# KiCad board Console.kicad_pcb (continued)
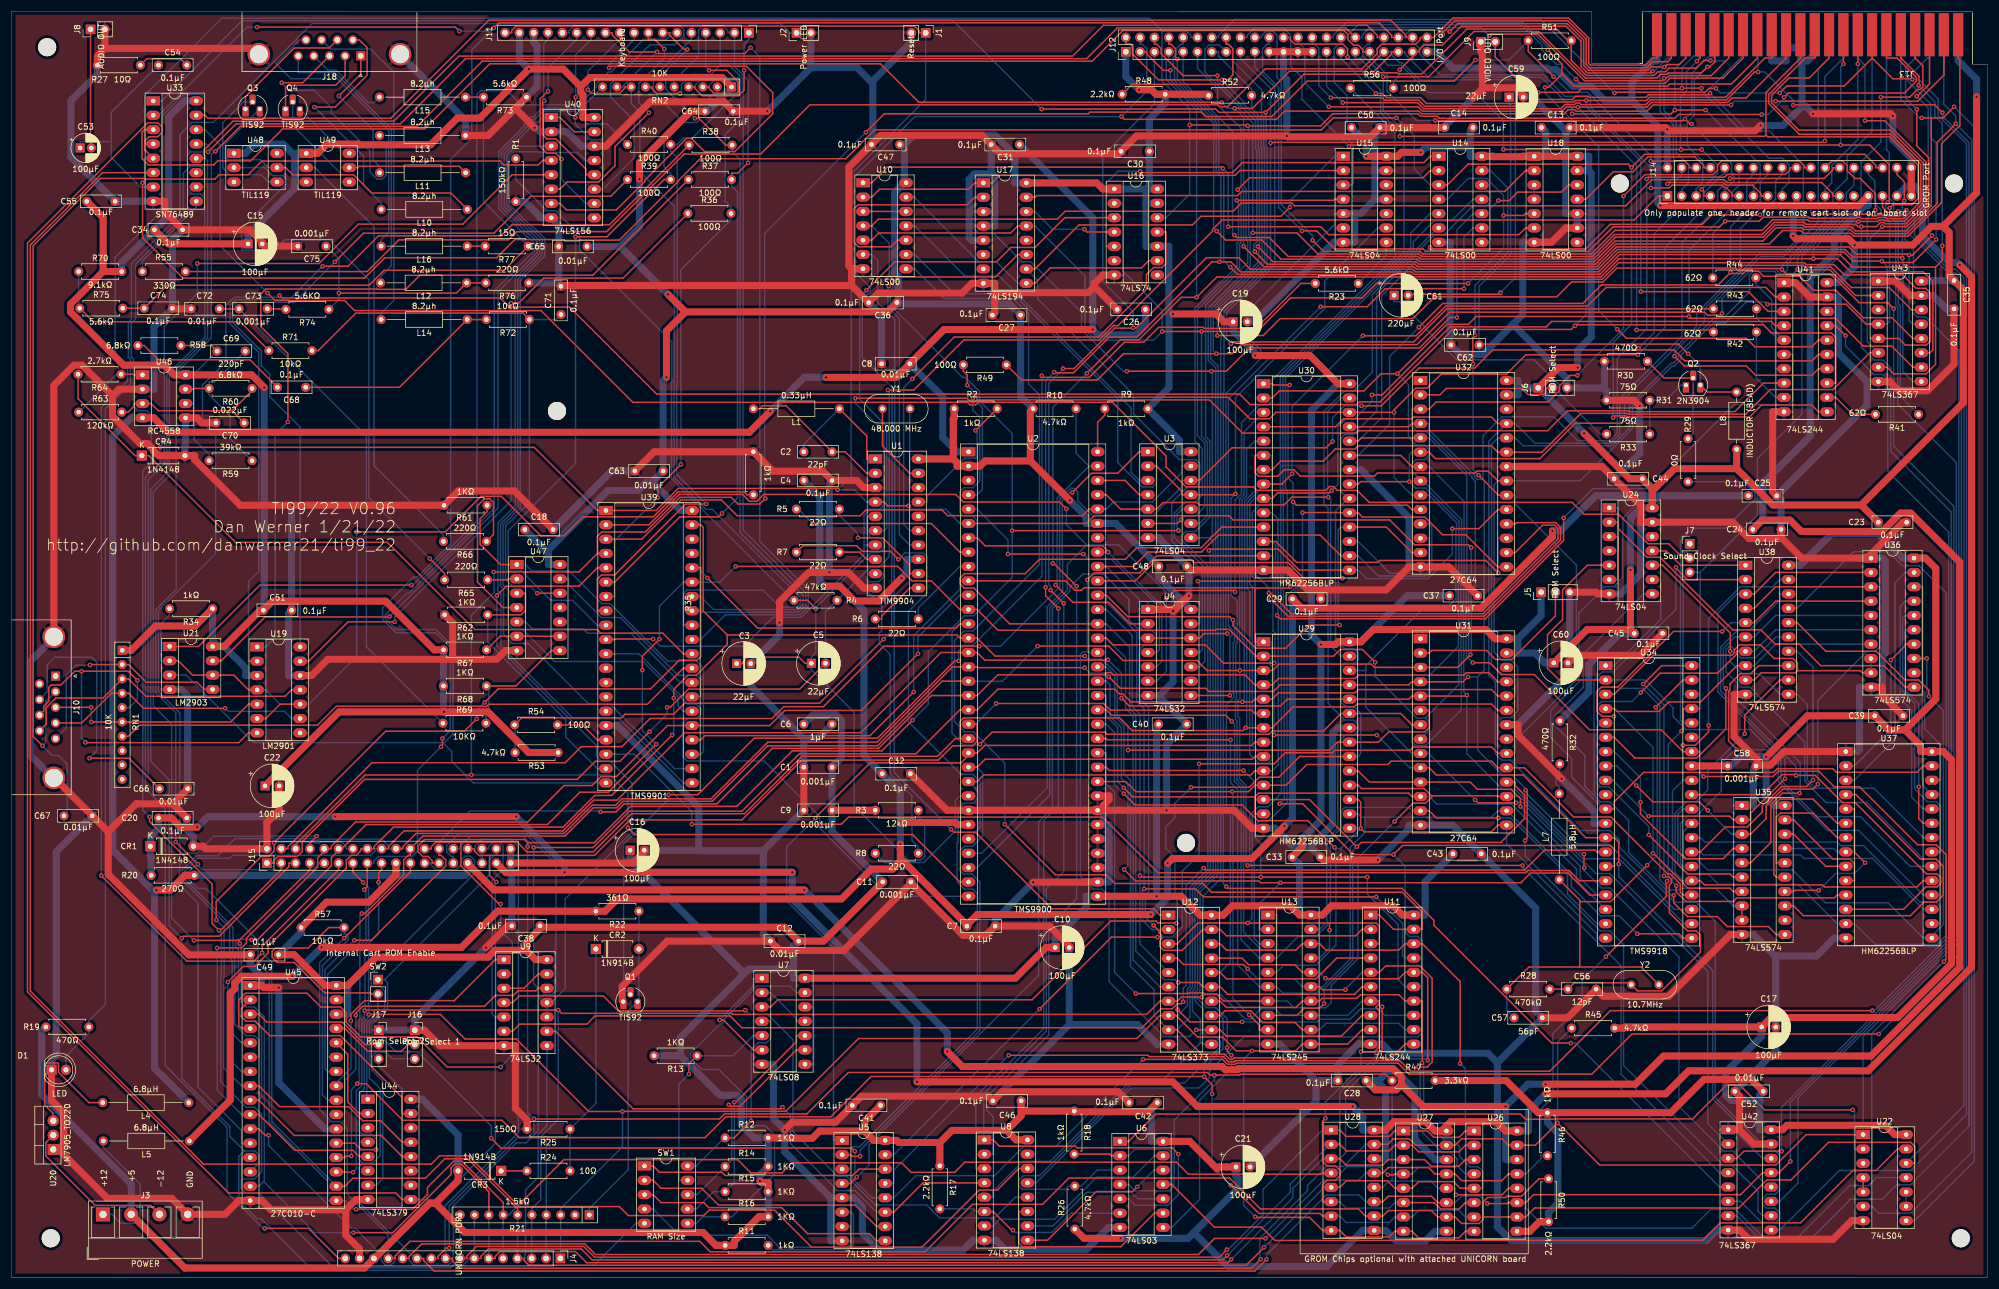
[diagram p0: board, top side]
## Routing (per net, layer and track width the routed paths; a pad name or vN(x,y) marks a point on that pad's centre or on a via; arc(x,y) is an arc through that point) (continued)
-5V: length 1089.7
  Top w1.25: v1(271.7,34.27) 287.6,34.27 292.6,39.27 329.32,39.27 345.04,54.99 345.04,126.76 336.36,135.45 334.56,135.45 331.3,132.18 317,132.18 315,134.19 310.05,134.19 C24.1 ; J14.29 327.16,189.92 v1(292.05,189.92) ; v1(165.75,40.07) 168.42,37.4 214.43,37.4 214.98,36.85 217.11,36.85 217.3,37.04 244.71,37.04 246.17,35.58 246.17,34.22 ; v1(144.28,159.48) 156.7,159.48 C8.1 165.18,167.96 v1(191.52,167.96) ; R20.2 30.76,71.28 28.15,68.67 v1(25.7,68.67) ; U46.4 25.26,152.3 27.8,149.76 130.69,149.76 v1(134.42,153.48) ; 80.82,73.45 80.82,73.35 85.46,68.7 v1(140.44,68.7) ; C28.1 241.57,33.29 245.24,33.29 246.17,34.22 ; 246.17,34.22 250.05,30.33 v1(264.62,30.33)
  Bottom w1.25: U26.14 264.63,20.92 264.63,30.33 v1(264.62,30.33) 268.56,34.27 v1(271.7,34.27) ; v1(144.28,159.48) 140.42,159.48 v1(134.42,153.48) ; 241.98,34.7 243.38,33.29 243.38,21.08 U28.14 ; 241.98,34.7 243.82,36.55 245.21,36.55 248.56,33.19 248.56,24.49 252.13,20.92 U27.14 ; 241.98,34.7 241.75,34.92 C28.1 ; 25.36,68.33 v1(25.7,68.67) ; 25.36,68.33 25.36,37.09 L4.1 ; 25.36,68.33 17.96,75.73 17.96,149.05 21.21,152.3 U46.4 ; 80.82,73.45 80.82,71.77 80.33,71.28 R20.2 ; C24.1 310.18,134.32 310.18,140.68 318.56,149.07 318.56,177.17 322.84,181.44 322.84,184.53 328.24,189.93 328.84,189.93 J14.29 ; U2.1 167.49,146.3 164.94,148.85 164.94,156.06 C8.1 ; J13.43 291.44,215.54 290.74,215.54 287,211.8 287,208.56 ; v1(292.05,189.92) 291.59,190.39 291.59,203.97 287,208.56 ; 250.7,217.15 252.38,217.15 255.27,214.25 271.93,214.25 272.2,213.98 273.62,213.98 276.56,211.04 279.68,211.04 282.16,208.56 287,208.56 ; v1(140.44,68.7) 165.75,43.39 v1(165.75,40.07) ; C26.1 200.83,168.68 199.17,167.01 192.46,167.01 v1(191.52,167.96) 191.52,187.74 C31.1
GND: length 3252.5
  Top w1.25: 193.39,82.8 v1(204.59,82.8) 216.54,82.8 219.72,79.62 U29.14 ; 193.39,82.8 U2.39 U2.26 165.7,82.8 C32.2 ; 193.39,82.8 193.39,83.65 194.4,84.67 194.4,85.34 U2.40 ; U10.7 148.81,178.71 ; 148.81,178.71 148.81,175.75 ; 148.81,178.71 148.34,179.18 148.34,196.72 C47.2 153.96,202.35 171.91,202.35 C31.2 175.17,199.08 196.1,199.08 C30.2 199.25,202.23 v1(225.87,202.23) 226.01,202.09 240.7,202.09 C50.2 C14.2 ; C63.2 113.84,146.3 R35.1 134.87,142.85 143.72,142.85 C4.2 149.71,141.22 150.99,139.94 U1.3 ; C60.2 276.99,110.23 288.51,110.23 C45.2 ; 7.53,113.36 7.53,158.07 11.11,161.65 12.52,161.65 17.92,156.25 ; v1(180.97,70.06) 190.31,70.06 190.35,70.1 U2.34 ; C75.2 44.83,182.72 C15.2 44.44,183.43 42.24,185.62 C34.2 27.16,188.79 27.16,190.67 U33.8 ; 78.17,109.54 56.05,109.54 53.18,106.67 U19.12 ; 78.17,109.54 85.96,109.54 87.5,111.08 U47.7 ; 78.17,109.54 78.17,115.99 R62.1 ; 28.56,83.95 C20.2 ; 28.56,83.95 22.13,83.95 17.17,78.99 ; 28.56,83.95 C66.2 ; U41.10 311.91,153.38 311.91,139.24 C25.2 ; U20.1 8.35,22.72 ; 8.35,22.72 9.27,23.64 9.27,29.31 7.13,31.44 D1.1 ; 8.35,22.72 17.01,14.06 28.39,14.06 J3.4 37.83,11.22 40.28,13.67 U45.16 44.34,13.67 45.98,12.02 59.23,12.02 ; C35.2 344.04,161.81 339.34,157.11 334.29,157.11 332.66,158.74 U43.8 ; U42.1 306.06,26.22 ; 306.06,26.22 306.06,32.19 C52.2 ; 306.06,26.22 308.6,23.68 U42.15 ; v1(288.38,154.39) 287.35,155.42 R31.2 ; v1(309.78,204.1) 308.83,203.15 293.51,203.15 v1(293.26,203.4) 292.94,203.72 C13.2 ; 16.58,217.75 42.72,217.75 44.12,216.34 ; 16.58,217.75 15.24,216.41 R27.2 ; 16.58,217.75 J8.2 ; J4.15 61.67,5.1 59.23,7.54 59.23,12.02 ; v1(333.19,205.78) 332.8,206.17 v1(319.05,206.17) ; J16.1 73.14,43.84 75.88,41.11 U9.7 89.26,41.11 89.26,30.01 91.33,27.95 R25.2 ; 231.88,121.82 C29.2 ; 231.88,121.82 243.45,121.82 247.52,125.9 U32.14 254.58,125.9 C37.2 ; 231.88,121.82 229.6,121.82 226.09,125.34 U30.14 208.86,125.34 C48.2 ; 174.16,174.48 174.16,170.95 C27.2 ; 174.16,174.48 174.16,176.14 U17.8 170.11,176.14 168.39,174.42 153.53,174.42 C36.2 148.81,175.75 ; 174.16,174.48 190.71,174.48 191.79,175.57 ; 260.51,210.76 260.51,216.97 260.24,217.24 J9.1 ; 260.51,210.76 260.51,210.6 v1(258.88,208.97) ; 260.51,210.76 266.38,210.76 267.74,209.41 C59.2 ; C74.2 28.63,171.62 C72.2 ; C39.2 331.36,103.17 331.36,104.61 U36.10 ; 59.23,12.02 61.05,13.84 U44.8 ; J14.35 J14.36 ; v1(136.06,116.01) 136.06,119.75 141.24,124.93 v1(144.87,124.93) 148.22,124.93 150.99,122.17 U1.10 ; 17.92,156.25 17.92,152.63 22.78,147.77 24.08,147.77 25.13,146.72 25.13,146.58 26.09,145.62 CR4.2 32.47,145.62 32.47,144.91 40.56,136.82 v1(49.76,136.82) R61.1 79.17,139.36 89.11,139.36 C18.2 ; 17.92,156.25 19.06,157.38 U46.2 ; 313.41,131.12 317.07,127.47 328.64,127.47 ; 313.41,131.12 C24.2 ; 313.41,131.12 313.21,130.92 307.74,130.92 304.84,133.83 U24.13 288.57,133.83 288.57,136.78 C44.2 281.68,143.68 U32.22 ; C42.2 196.01,32.95 175.46,32.95 C46.2 173.01,32.15 150.56,32.15 C41.2 145.96,27.55 138.31,27.55 v1(136.96,26.2) ; U18.9 275.28,185.94 272.74,183.41 U18.7 ; R73.1 89.24,207.13 ; 89.24,207.13 84.44,202.32 L13.1 ; 89.24,207.13 v1(92.69,203.68) ; v1(47.37,51.39) 44.72,51.39 44.34,51.77 U45.1 ; U31.22 266.82,97.95 266.82,96.12 v1(274.55,88.39) ; 148.81,175.75 97.46,175.75 C71.2 ; U4.1 205.48,118.37 v1(205.74,118.11) 205.87,118.11 v1(208.53,120.78) ; J12.27 J12.25 J12.23 J12.21 ; J5.3 280.66,121.42 280.95,121.12 U24.7 ; C11.2 159.31,69.88 ; 159.31,69.88 147.39,57.96 136.1,57.96 C12.1 116.17,59.62 108.19,51.64 108.19,49.08 Q1.1 ; 159.31,69.88 168.55,60.65 172.59,60.65 C7.2 183.84,62.28 187.36,58.75 C10.2 ; U38.10 305.08,103.34 305.08,95.82 309.25,91.66 309.25,90.92 ; C33.2 232.35,74 v1(241.99,74) ; U43.15 336.23,173.98 333.69,176.52 U43.1 ; C49.2 42.3,57.19 31.42,57.19 17.17,71.44 17.17,78.99 ; 191.79,175.57 C26.2 ; 191.79,175.57 191.79,176.08 193.31,177.61 195.33,177.61 ; 309.25,90.92 309.38,90.79 311.5,90.79 313.91,93.2 U37.1 ; 309.25,90.92 C58.2 ; C70.2 33.76,151.42 32.88,152.3 U46.5 ; 17.17,78.99 C67.2 7.8,88.36 7.53,88.36 ; CR1.2 33.97,76.42 34.41,75.99 J15.2 45.26,80.61 47.44,82.78 C22.2 ; C57.2 275.59,46.03 C56.2 281.93,49.85 293.51,49.85 304.45,60.79 U35.10 ; v1(84.06,58.48) 87.9,62.32 C38.2 ; C9.2 C1.2 ; 88.44,73.45 110.08,73.45 112.08,75.45 C16.2 ; C23.2 335,133.82 328.64,127.47 ; U41.19 318.5,173.71 315.96,176.25 U41.1 ; U36.1 328.64,127.47 ; U40.14 105.28,200.44 113.12,208.28 126.17,208.28 C64.1 v1(133.88,206.62) ; U42.8 306.06,8.44 307.69,6.81 322.62,6.81 325.91,10.11 U22.7
  Bottom w1.25: v1(204.59,82.8) 204.59,94.46 C40.2 203.3,102.91 203.3,103.12 ; U7.7 134.96,37.81 134.96,28.2 v1(136.96,26.2) 136.96,22.31 145.11,14.16 ; v1(241.99,74) 247.53,79.54 247.53,80.17 U31.14 255.23,80.17 C43.2 269.94,65.45 269.94,47.22 C57.2 263.17,38.07 ; v1(333.19,205.78) 333.19,201.55 336.46,198.29 J14.36 ; U14.7 254.81,183.41 254.81,170.63 254.77,170.6 254.77,165.38 C62.2 256.6,163.55 260.6,163.55 265.92,168.87 ; U2.35 194.4,72.64 ; 194.4,72.64 194.4,70.1 U2.34 ; 194.4,72.64 194.4,75.18 ; 7.53,88.36 3.37,92.53 3.37,109.19 7.53,113.36 ; C46.2 187.36,44.85 ; 187.36,44.85 199.42,44.85 202.91,41.36 U12.10 ; 187.36,44.85 C10.2 ; 152.33,211.77 159.38,218.82 J1.2 ; 152.33,211.77 149.77,214.34 141.61,214.34 ; 152.33,211.77 152.57,211.54 152.57,200.95 C47.2 ; U46.5 30.85,147.46 30.74,147.35 CR4.2 ; 282.12,157.62 282.12,157.45 282.53,157.05 R31.2 ; 282.12,157.62 R30.2 ; 282.12,157.62 J6.3 275.49,159.3 265.92,168.87 ; 241.47,196.11 241.47,202.85 C50.2 ; 241.47,196.11 U15.13 ; 241.47,196.11 241.47,191.03 ; C21.2 231.03,31.27 231.03,34.92 ; 230.01,76.35 233.96,80.3 233.96,96.39 234.96,97.4 U29.22 ; 230.01,76.35 C33.2 ; 230.01,76.35 227.04,76.35 223.78,79.61 223.78,79.62 U29.14 ; C58.2 308.5,90.18 308.5,83.65 U35.1 ; 140.35,95.44 142.75,95.44 C6.2 ; 140.35,95.44 130.95,104.84 C3.2 136.06,113.9 v1(136.06,116.01) ; 140.35,95.44 C1.2 ; J5.3 275.99,109.24 C60.2 275.67,106.79 266.82,97.95 U31.22 ; C12.1 133.17,60.88 133.17,75.63 ; 194.4,77.72 194.4,80.26 193.39,80.26 ; 194.4,77.72 194.4,75.18 ; 194.4,77.72 U2.37 ; 316.84,217.85 316.84,215.54 ; 316.84,217.85 J13.23 ; 316.84,217.85 314.3,217.85 ; 316.84,215.54 317.11,215.26 317.11,207.49 ; 316.84,215.54 318.1,215.54 319.38,216.81 J13.21 ; U5.8 145.11,6.54 145.11,14.16 ; 141.61,214.34 v1(133.88,206.62) ; 141.61,214.34 J2.2 ; v1(208.53,120.78) 208.53,125.66 C48.2 203.3,130.89 203.3,131.06 U3.7 ; J13.25 314.3,217.85 ; 314.3,217.85 314.3,215.54 311.75,215.54 J13.27 ; U37.1 326.9,93.2 327.31,93.6 327.31,104.61 U36.10 331.36,104.61 331.36,110.19 331.86,110.69 331.86,126.97 331.36,127.47 U36.1 ; U15.5 237.9,188.49 ; 237.9,188.49 238.93,188.49 241.47,191.03 ; 237.9,188.49 237.9,183.41 U15.7 234.21,183.41 220.13,169.32 C19.2 ; 328.61,158.74 328.61,154.49 C25.2 313.41,137.74 C24.2 ; 328.61,158.74 U43.8 ; 328.61,158.74 323.58,163.77 323.58,173.71 U41.19 ; U17.4 174.16,186.3 174.16,188.84 ; v1(309.78,204.1) 313.72,204.1 317.11,207.49 ; C66.2 31.23,103.03 30.06,104.2 U21.4 ; 263.17,38.07 261.49,39.75 244.39,39.75 242.76,41.39 U11.10 238.56,41.39 234.94,37.76 C28.2 231.03,34.92 ; 263.17,38.07 263.17,9 265.58,6.59 300.16,6.59 302.01,8.44 U42.8 ; 231.03,34.92 224.56,41.39 U13.10 ; 203.3,103.12 205.74,105.56 v1(205.74,118.11) ; 203.3,103.12 U4.7 ; 265.92,168.87 267.66,170.61 267.66,183.41 U18.7 ; R73.1 93.11,210.99 93.11,218.25 92.51,218.84 J11.16 ; C9.2 133.17,75.63 ; 133.17,75.63 121.84,75.63 121.75,75.72 ; R27.2 15.24,213.16 10.55,208.47 10.55,198.48 C55.1 23.1,190.66 23.11,190.67 U33.8 ; U24.7 285.01,121.12 288.57,124.69 288.57,133.83 U24.13 ; D1.1 7.13,38.55 7.95,39.36 7.95,75.43 C67.2 ; 275.28,203.16 275.43,203.16 C13.2 ; 275.28,203.16 269.33,209.12 C59.2 ; 275.28,203.16 275.28,188.49 U18.10 U18.9 ; 317.11,207.49 317.73,207.49 v1(319.05,206.17) ; 193.39,80.26 193.39,82.8 U2.39 ; 193.39,80.26 U2.38 ; U43.15 340.28,173.98 342.64,171.62 C35.2 ; U17.3 174.16,188.84 ; 174.16,188.84 174.16,195.08 173.69,195.55 173.54,195.55 ; U45.1 44.34,51.77 44.34,53.4 42.33,55.4 C49.2 ; 96.94,176.22 R76.1 ; 96.94,176.22 C65.2 96.94,186.43 U40.8 93.61,187.74 93.61,187.96 90.96,190.61 R1.2 ; 96.94,176.22 96.94,176.01 C71.2 ; 121.75,75.72 C16.2 ; 121.75,75.72 121.75,83.39 107.34,97.81 U39.16 ; U30.22 239.02,143.12 247.52,134.61 247.52,125.9 U32.14 ; 194.4,75.18 U2.36 ; C38.2 88.64,71.57 88.44,71.77 88.44,75.99 ; C44.2 288.38,146.07 v1(288.38,154.39) ; C63.2 106.32,142.89 C18.2 ; 145.11,14.16 U5.5 149.16,14.16 150.72,12.6 150.72,7.88 153.71,4.88 168.55,4.88 170.31,6.64 U8.8 174.36,6.64 175.99,5.01 190.41,5.01 194.31,8.91 U6.7 ; 69.12,216.34 80.44,205.03 L13.1 ; v1(47.37,51.39) 47.37,34.52 55.52,26.37 U45.22 ; v1(180.97,70.06) 174.23,63.31 C7.2 ; v1(225.87,202.23) 225.87,212.21 225.3,212.78 J12.23 ; J17.1 J16.1 71.46,45.88 v1(84.06,58.48) ; v1(144.87,124.93) 144.87,140.75 C4.2 ; 241.47,191.03 U15.11 ; C52.2 312.47,40.25 C17.2 312.47,56.99 ; 173.54,195.55 170.59,195.55 169.63,194.59 169.63,184.24 170.11,183.76 U17.5 ; 173.54,195.55 C31.2 ; v1(293.26,203.4) 293.26,198.31 293.28,198.29 J14.2 ; U19.12 49.13,106.67 49.13,117.71 C51.2 49.64,136.69 v1(49.76,136.82) ; U37.14 322.85,60.18 319.66,56.99 312.47,56.99 ; C20.2 31.08,79.32 32.24,78.15 CR1.2 ; U40.14 100.97,200.44 98.43,202.98 U40.2 93.61,202.98 92.91,203.68 v1(92.69,203.68) ; 312.47,56.99 312.3,56.99 308.5,60.79 U35.10 ; v1(274.55,88.39) 280.31,82.63 280.31,80.48 U34.12 ; v1(258.88,208.97) 253.85,203.94 C14.2 ; C34.2 28.53,183.82 C74.2 25.26,168.45 25.26,157.38 U46.2 ; C36.2 154.11,170.44 C8.2
VSS: length 544.9
  Top w1.25: v1(160.38,34.69) 205.68,34.69 210.05,30.33 v1(237.54,30.33) ; v1(32.95,79.8) 29.99,79.8 28.35,81.44 C20.1 ; v1(89.42,81.66) v1(57.38,81.66) ; v1(138.31,71.81) v1(97.98,71.81) 97.92,71.75 87.6,71.75 J15.33 ; v1(345.05,179.4) 347.13,177.32 347.13,54.96 328.82,36.65 297.04,36.65 292.96,32.57 v1(271.73,32.57) ; 253.28,26 254.92,27.64 262.99,27.64 264.63,26 U26.16 ; 253.28,26 U27.16 ; 253.28,26 252.13,26 250.5,27.63 244.85,27.63 243.38,26.16 U28.16
  Bottom w1.25: v1(138.31,71.81) 138.31,67.05 160.38,44.98 v1(160.38,34.69) ; R20.1 24.77,74.55 24.62,74.69 CR1.1 24.62,78.15 26.08,79.6 C20.1 ; v1(97.98,71.81) 97.98,73.1 v1(89.42,81.66) ; v1(237.54,30.33) 239.33,28.54 239.33,26.16 U28.16 ; v1(57.38,81.66) 34.81,81.66 v1(32.95,79.8) ; J14.33 335.61,193.3 337.15,193.3 338.45,192 338.45,184.54 343.17,179.82 344.63,179.82 v1(345.05,179.4) ; v1(271.73,32.57) 268.68,29.52 268.68,26 U26.16
/8Bit16BitSwitch/~{LSBEN}: length 154.1
  Top w0.25: v1(166.42,79.41) 166.93,78.9 170.74,78.9 184.3,65.35 202.28,65.35 203.41,64.22 U12.1
  Bottom w0.25: v1(166.42,79.41) 156.36,89.47 156.36,127.55 156.45,127.64 156.45,169.7 153.43,172.72 153.43,180.17 152.36,181.25 U10.6
/8Bit16BitSwitch/~{MSBEN}: length 142.3
  Bottom w0.25: U13.19 231.68,61.71 232.96,62.99 232.96,77.75 234.91,79.7 234.91,94.77 236.26,96.12 237.74,96.12 238.52,96.9 238.52,97.92 237.67,98.77 236.16,98.77 233.2,101.73 233.2,136.26 232.46,137 232.46,153.45 236.09,157.09 237.72,157.09 241.02,160.38 241.02,174.13 248.94,182.05 248.94,182.28 252.6,185.94 U14.6
/CPU/Ø1: length 33.6
  Top w0.25: v1(141.92,133.6) 162.91,133.6 167.99,128.52 U2.8
  Bottom w0.25: v1(141.92,133.6) 139.37,136.14 R5.1
/CPU/Ø2: length 13.9
  Bottom w0.25: R6.1 160.62,118.62 167.99,125.98 U2.9
/CPU/Ø3: length 84.1
  Top w0.25: v1(157.09,127.25) 155.68,128.66 150.71,128.66 149.71,129.66 140.18,129.66 R7.1
  Bottom w0.25: v1(157.09,127.25) 158.22,128.38 161.51,128.38 162.18,127.71 162.18,121.33 158.87,118.02 158.87,98.46 168.18,89.15 170.28,89.15 171.56,87.87 171.56,79.77 U2.28
/CPU/Ø4: length 25.2
  Bottom w0.25: R8.1 154.64,73.54 161.58,73.54 167.17,79.13 167.17,84.52 167.99,85.34 U2.25
/Video/COMVID: length 64.5
  Top w0.25: v1(267.57,211.44) 262.78,216.24 J9.2 ; C61.2 247.55,174.2 263.42,174.2 v1(263.71,174.49)
  Bottom w0.25: v1(263.71,174.49) 266.36,177.14 266.36,210.23 v1(267.57,211.44)
A0: length 307.9
  Top w0.25: U2.24 171.04,87.88 172.22,89.06 219.51,89.06 220.22,89.78 U29.10 ; v1(274.9,134.58) 274.9,130.59 261.02,116.72 224.75,116.72 v1(224.16,117.31)
  Bottom w0.25: U5.3 148.66,19.24 148.66,22.72 149.13,23.19 150.22,23.19 171.07,44.04 171.07,68.02 170.26,68.83 168.77,68.83 167.49,70.11 167.49,77.04 167.67,77.22 167.67,82.96 168.78,84.07 170.28,84.07 171.08,84.87 171.08,86.31 U2.24 ; U41.6 315.46,163.55 315.46,155.4 314.71,154.66 305.1,154.66 290.21,139.77 280.09,139.77 v1(274.9,134.58) ; U30.10 223.28,135.5 224.32,134.45 224.32,117.47 v1(224.16,117.31) 224.35,117.12 224.35,90.85 223.28,89.78 U29.10
A1: length 301.5
  Top w0.25: 221.75,138.04 223.28,138.04 224.23,138.99 233.4,138.99 v1(233.82,139.41) ; U2.23 171.04,90.42 172.45,91.83 219.74,91.83 220.22,92.31 U29.9 ; v1(150.32,21.5) 148.94,21.5 148.66,21.78 U5.2 ; U41.4 312.41,168.62 311.65,169.38 272.77,169.38 271.8,168.41 254.79,168.41 242.75,156.37 v1(240.95,156.37)
  Bottom w0.25: v1(150.32,21.5) 150.32,22.57 171.52,43.78 171.52,70.09 170.1,71.51 168.65,71.51 167.99,72.17 167.99,75.65 168.79,76.45 170.24,76.45 172.01,78.22 172.01,89.45 171.04,90.42 U2.23 ; v1(233.82,139.41) 234.93,140.52 234.93,150.72 236.22,152 237.74,152 240.95,155.21 v1(240.95,156.37) ; 221.75,138.04 220.22,138.04 219.32,137.13 219.32,122.83 219.77,122.38 219.77,94.29 U29.9
A2: length 322.6
  Top w0.25: 169.95,92.96 171.04,92.96 172.36,94.28 219.65,94.28 220.22,94.86 U29.8 ; 169.95,92.96 168.17,91.18 152.07,91.18 142.41,81.52 v1(142.41,81.4) ; 169.95,92.96 U2.22 ; U41.2 312.41,173.71 310.71,175.4 282.42,175.4 279.13,172.12 254.05,172.12 248.78,166.84 v1(239.34,166.84) ; 221.75,140.58 225.01,140.58 v1(226.82,142.39)
  Bottom w0.25: 221.75,140.58 221.75,140.23 218.87,137.35 218.87,122.01 219.31,121.58 219.31,92.72 220.89,91.14 222.58,91.14 223.28,91.84 223.28,94.86 U29.8 ; v1(142.41,81.4) 137.3,76.3 137.3,66.71 145.61,58.41 145.61,24.32 U5.1 ; v1(239.34,166.84) 226.82,154.32 v1(226.82,142.39)
A3: length 524.4
  Top w0.25: J15.24 74.38,75.99 74.38,76.35 75.18,77.16 79.63,77.16 ; U30.7 223.28,143.12 224.8,144.64 232.33,144.64 234.47,146.78 237.95,146.78 238.54,147.37 262.12,147.37 263.26,146.22 U32.23 271.07,146.22 277.96,153.11 286.19,153.11 286.34,152.96 307.14,152.96 311.5,157.32 322.61,157.32 329.11,163.82 U43.6 ; v1(86.64,37.32) 77.19,37.32 71.84,42.67 61.87,42.67 59.26,45.28 59.26,46.98 58.28,47.96 54.8,47.96 52.38,50.39 41.46,50.39 40.28,49.21 40.28,44.65 40.78,44.15 U45.4 ; 79.63,77.16 89.58,77.16 91.3,75.44 103.08,75.44 109.83,82.19 129.85,82.19 140.02,92.35 164.02,92.35 167.17,95.5 167.99,95.5 ; 79.63,77.16 79.63,72.95 86.38,66.2 v1(86.66,66.2) ; U31.23 263.27,100.49 262.14,101.62 238.33,101.62 237.81,101.1 226.98,101.1 223.28,97.4 U29.7 v1(218.58,97.4) 218.1,96.91 198.48,96.91 196.23,99.17 168.65,99.17 167.99,98.51 167.99,95.5 ; v1(330.11,189.11) 330.11,192.02 327.42,194.71 326.49,194.71 325.13,196.07 325.13,196.95 324.25,197.83 322.44,197.83 J14.24 ; 167.99,95.5 U2.21
  Bottom w0.25: U30.7 220.22,143.12 220.22,139.34 218.42,137.53 218.42,113.4 218.78,113.04 218.78,97.59 v1(218.58,97.4) ; v1(86.64,37.32) 88.76,39.44 88.76,53.81 ; U43.6 328.66,165.8 328.66,187.66 v1(330.11,189.11) ; 88.76,53.81 U9.2 ; 88.76,53.81 88.76,59.33 86.66,61.44 v1(86.66,66.2)
A4: length 495
  Top w0.25: 221.75,145.66 220.22,145.66 220.22,142.63 220.91,141.95 224.25,141.95 225.42,143.11 227.12,143.11 228.25,141.99 241.39,141.99 241.94,142.55 259.21,142.55 259.54,142.88 261.53,142.88 263.26,141.14 U32.21 ; U9.1 85.71,56.34 78.44,49.08 62.56,49.08 60.14,46.66 v1(60.14,45.51) ; 84.71,74.81 84.71,71.26 v1(85.87,70.1) ; 84.71,74.81 82.8,74.81 82,75.62 82,75.99 80.82,75.99 ; 84.71,74.81 103.28,74.81 109.57,81.1 129.4,81.1 139.98,91.69 164.17,91.69 166.72,94.23 170.24,94.23 171.04,95.03 171.04,98.04 U2.20 ; U43.4 328.47,168.9 324.93,172.44 v1(311,172.44) ; U29.6 220.22,99.94 219.63,100.53 194.62,100.53 193.45,101.71 v1(174.42,101.71)
  Bottom w0.25: U2.20 171.04,98.04 171.04,98.33 v1(174.42,101.71) ; 221.75,145.66 223.28,145.66 223.28,137.54 222.5,136.77 221.01,136.77 219.77,135.53 219.77,124.25 220.22,123.8 220.22,99.94 U29.6 ; U9.1 85.71,56.34 85.71,69.94 v1(85.87,70.1) ; U43.4 332.16,168.9 332.62,169.36 332.62,187.06 331.1,188.59 331.1,189.15 330.02,190.23 330.02,194.26 328.84,195.43 J14.30 ; v1(311,172.44) 310.63,172.81 307.22,172.81 303.57,169.16 301.43,169.16 295.7,163.43 295.7,162.7 294.45,161.45 294.07,161.45 287.08,154.46 287.08,150.4 277.81,141.14 U32.21 263.26,141.14 262.58,140.46 262.58,110.82 264.03,109.38 265.6,109.38 266.77,108.2 266.77,100.47 265.52,99.22 264.04,99.22 263.27,98.44 263.27,95.41 U31.21 ; U45.25 57.55,34.53 60.14,37.12 v1(60.14,45.51)
A5: length 494.7
  Top w0.25: U43.2 326.6,173.98 322.03,178.55 316.36,178.55 v1(316.32,178.59) ; v1(61,46.48) 61,46.86 62.23,48.08 83.8,48.08 85.71,50 88.9,50 89.72,50.81 92.88,50.81 93.33,51.27 U9.12 ; v1(92.51,76.2) 103.02,76.2 109.46,82.64 129.39,82.64 139.55,92.8 160.21,92.8 167.99,100.58 U2.19 171.04,100.58 174.71,104.25 195.39,104.25 196.27,103.37 196.9,103.37 198.27,102 v1(217.99,102) 219.75,102 220.22,102.48 U29.5 223.28,102.48 224.4,103.6 237.97,103.6 238.54,104.18 262.12,104.18 263.27,103.03 U31.24
  Bottom w0.25: U9.12 93.33,51.27 92.51,52.09 v1(92.51,76.2) 92.51,76.29 90.65,78.15 81.26,78.15 79.46,76.35 79.46,75.99 78.28,75.99 ; U31.24 266.32,103.03 266.32,106.05 265.53,106.84 264.04,106.84 262.13,108.75 262.13,147.62 263.26,148.76 U32.24 266.32,148.76 267.71,147.37 283.4,147.37 286.58,150.54 286.58,154.64 293.9,161.96 294.29,161.96 295.25,162.93 295.25,163.68 301.63,170.07 303.29,170.07 307.82,174.6 307.82,177.62 308.49,178.29 312.21,178.29 313.09,177.41 315.13,177.41 316.31,178.6 ; 316.31,178.6 316.31,180.76 324.94,189.39 324.94,192.15 326.3,193.51 J14.28 ; 316.31,178.6 v1(316.32,178.59) ; U45.23 59.08,28.91 59.08,34.98 61,36.91 v1(61,46.48) ; v1(217.99,102) 218.33,102.33 218.33,112.85 217.97,113.21 217.97,137.72 218.76,138.51 218.76,146.73 220.22,148.19 U30.5
A6: length 585.7
  Top w0.25: 221.75,150.74 234.51,150.74 235.93,152.15 248.02,152.15 248.32,152.45 262.12,152.45 263.26,151.3 U32.25 ; v1(304.36,194.71) 321.05,194.71 322.59,196.24 322.59,196.61 J14.26 ; 75.74,75.99 75.74,74.81 76.11,74.81 76.93,73.99 76.93,72.95 63.75,59.77 v1(60.76,59.77) ; v1(104.33,82.51) 107.1,82.51 108.52,83.93 124.95,83.93 134.78,93.77 153.58,93.77 162.94,103.12 U2.18 171.04,103.12 174.72,106.8 193.65,106.8 194.04,107.19 194.64,107.19 195.03,106.8 218.44,106.8 220.22,105.02 U29.4 223.28,105.02 224.4,106.14 237.97,106.14 238.56,106.74 257.24,106.74 257.66,107.16 261.68,107.16 263.27,105.56 U31.25
  Bottom w0.25: v1(104.33,82.51) 104.16,82.68 81.26,82.68 75.74,77.16 75.74,75.99 ; U45.26 56.02,36.53 55.55,37 55.55,54.56 v1(60.76,59.77) ; 262.81,105.56 262.81,92.79 263.93,91.67 265.45,91.67 277.91,79.21 283.08,79.21 284.73,77.56 284.73,76.32 294.53,66.51 298.37,66.51 301.74,63.14 301.74,31.92 309.99,23.67 309.99,23.28 310.71,22.55 312.31,22.55 313.18,21.68 313.18,15.59 312.38,14.79 310.93,14.79 310.13,13.99 310.13,12.99 310.79,12.32 312.34,12.32 313.21,11.46 313.21,10.52 312.49,9.8 309.93,9.8 306.22,13.52 U42.6 ; 262.81,105.56 261.66,106.72 261.66,148.17 U32.25 266.32,151.3 269.8,147.82 283.22,147.82 284.85,149.45 284.85,155.73 295.88,166.76 295.88,183.35 302.17,189.64 302.17,192.52 v1(304.36,194.71) ; 262.81,105.56 U31.25
A7: length 606.9
  Top w0.25: v1(267.62,73.02) v1(218.95,73.02) ; v1(62.07,64.52) 62.64,64.52 69.48,71.36 69.48,74 70.29,74.81 70.66,74.81 70.66,75.99 72.91,78.24 98.05,78.24 103.05,83.24 107.19,83.24 108.33,84.38 124.12,84.38 133.96,94.22 153.4,94.22 164.84,105.66 U2.17 ; v1(285.51,191.6) 289.3,195.39 301.34,195.39 302.17,196.22 302.17,197.1 302.87,197.8 316.68,197.8 317.51,196.98 317.51,196.61 J14.22 ; U32.3 251.08,153.84 252.35,155.11 272.14,155.11 274.13,157.09 274.13,157.92 276.03,159.82 v1(277.33,159.82) ; v1(258.41,110.38) 256.14,108.11 U31.3 241.41,108.11 240.83,108.68 224.46,108.68 223.33,107.56 U29.3 v1(217.57,107.56) 211.75,107.56 209.97,109.33 196.87,109.33 194.32,111.88 v1(181.76,111.88)
  Bottom w0.25: v1(267.62,73.02) 267.62,72.7 285.07,55.25 285.07,36.04 302.51,18.6 U42.4 ; v1(277.33,159.82) 278.33,160.83 278.33,160.93 285.51,168.11 v1(285.51,191.6) ; U2.17 175.54,105.66 v1(181.76,111.88) ; v1(258.41,110.38) 258.55,110.52 258.55,121.73 259.25,122.43 259.25,141.08 258.67,141.67 258.67,141.83 250.62,149.89 248.96,149.89 248.02,150.82 248.02,153.84 U32.3 ; U45.27 56.02,39.07 56.02,53.72 61.73,59.43 61.73,64.18 v1(62.07,64.52) ; v1(218.95,73.02) 218.68,73.3 218.68,87.16 217.49,88.35 217.49,90.14 217.53,90.18 217.53,99.07 217.24,99.36 217.24,102.27 217.57,102.6 v1(217.57,107.56) 217.52,107.61 217.52,137.91 218.31,138.69 218.31,149.83 U30.3
A8: length 581
  Top w0.25: v1(268.07,77.44) 268.44,77.82 268.44,86.05 v1(268.17,86.33) ; v1(190.06,108.06) 171.18,108.06 171.04,108.2 U2.16 166.67,108.2 153.34,94.88 133.98,94.88 123.94,84.83 108.15,84.83 107.01,83.69 102.87,83.69 97.86,78.69 71.68,78.69 69.3,76.3 69.3,75.99 J15.20 ; J14.20 314.97,196.61 314.97,196.24 314.16,195.43 303.9,195.43 303.4,194.94 289.94,194.94 v1(289.63,194.63) ; 236.99,150.74 247.46,150.74 248.02,151.3 U32.4 ; v1(194.34,106.46) 196.41,104.4 211.52,104.4 212.06,103.85 223.52,103.85 224.69,105.02 U29.25 247.48,105.02 248.03,105.56 U31.4 257.1,105.56 v1(257.96,106.43)
  Bottom w0.25: v1(289.63,194.63) 289.63,168.05 284.4,162.83 284.4,149.64 283.03,148.27 277.37,148.27 273.18,152.47 263.93,152.47 260.62,149.16 260.62,141.41 ; 260.62,141.41 259.56,141.41 259.12,141.85 259.12,142.14 251.08,150.18 251.08,151.3 U32.4 ; 260.62,141.41 260.85,141.18 260.85,107.61 259.67,106.43 ; U45.5 40.78,41.61 39.12,43.28 39.12,56.25 38.66,56.7 38.66,62.01 30.28,70.4 30.28,72.16 32.86,74.74 36.57,74.74 39.6,77.77 53.48,77.77 53.77,77.48 54.38,77.48 54.56,77.67 65.63,77.67 66.94,76.35 66.94,75.99 J15.20 ; 259.67,106.43 v1(257.96,106.43) ; 259.67,106.43 259.67,93.44 264.13,88.98 265.82,88.98 268.17,86.63 v1(268.17,86.33) ; v1(190.06,108.06) 191.05,107.07 193.73,107.07 v1(194.34,106.46) ; v1(268.07,77.44) 268.07,74.76 281.39,61.43 283.09,61.43 285.52,59 285.52,37.6 303.25,19.87 304.77,19.87 309.33,15.31 309.33,11.78 310.13,10.98 U42.10
A9: length 580.6
  Top w0.25: U32.5 239.08,148.76 238.52,148.19 U30.24 ; v1(196.6,102.64) 197.97,101.27 224.75,101.27 225.96,102.48 U29.24 247.48,102.48 248.03,103.03 U31.5 257.59,103.03 v1(257.75,103.18) ; J15.18 66.76,75.99 66.76,76.35 69.54,79.14 97.68,79.14 103.13,84.59 107.27,84.59 119.21,96.53 150.43,96.53 164.63,110.74 U2.15 171.04,110.74 172.4,109.38 194.11,109.38 v1(194.19,109.47) ; v1(278.51,75.02) 278.51,72.67 v1(278.56,72.62) ; v1(251.27,182.51) 251.55,182.24 278.81,182.24 283.15,186.58 299.44,186.58 301.13,188.27 v1(309.67,188.27)
  Bottom w0.25: U32.5 251.08,148.76 257.75,142.08 257.75,122.21 257.62,122.08 257.62,111.26 257.23,110.86 257.23,103.71 v1(257.75,103.18) 257.75,92.83 264.12,86.47 266.37,86.47 267.68,85.15 267.98,85.15 278.12,75.02 v1(278.51,75.02) ; v1(196.6,102.64) 196.6,107.06 v1(194.19,109.47) ; v1(309.67,188.27) 312.43,191.03 312.43,194.26 313.6,195.43 J14.18 ; J15.18 64.4,75.99 64.4,75.62 63.6,74.81 39.2,74.81 38.68,74.29 33.05,74.29 30.73,71.98 30.73,70.59 39.25,62.07 39.25,57.07 39.57,56.75 39.57,44.89 41.58,42.88 43.06,42.88 43.84,42.1 43.84,39.07 U45.6 ; U42.12 310.13,16.06 310.13,17.11 304.83,22.41 303.25,22.41 295.33,30.34 295.33,56.78 283.06,69.05 281.61,69.05 278.56,72.1 v1(278.56,72.62) ; v1(251.27,182.51) 242.68,173.92 242.68,152.36 238.52,148.19 U30.24
A10: length 505.2
  Top w0.25: U39.39 122.08,133.37 122.53,132.91 122.53,118.11 126.78,113.85 ; 126.78,113.85 126.78,112.18 121.29,106.7 119.8,106.7 117.32,104.21 v1(117.32,102.68) ; 126.78,113.85 167.42,113.85 167.99,113.28 U2.14 171.04,113.28 174.2,110.12 v1(190.12,110.12) ; v1(247.57,141.01) 238.95,141.01 238.52,140.58 236.99,140.58 ; v1(285.7,151.93) 285.12,151.35 276.96,151.35 270.7,145.09 252.21,145.09 251.08,146.22 U32.6 ; U43.14 336.52,171.44 332.57,175.39 325.83,175.39 322.22,179 317.68,179 317.37,179.31 306.47,179.31 v1(306.21,179.06) ; v1(117.03,96.13) 106.32,85.42 103.32,85.42 97.72,79.81 67.68,79.81 64.22,76.35 64.22,75.99 J15.16 61.86,75.99 61.86,75.62 61.06,74.81 60.2,74.81 59.32,73.93 59.32,72.53 45.48,58.69 45.48,57.51 43.11,55.14 41.11,55.14 v1(38.35,52.38) ; U31.6 251.08,100.49 251.08,97.44 250.32,96.68 243.92,96.68 242.1,94.86 U29.21 234.83,94.86 233.41,93.44 v1(197.75,93.44)